# Altium PCB Supply_modulev2.0.PcbDoc (part 1 of 2)
Units mm, origin at the board's own origin, x right, y up, seen from the top; angles counter-clockwise.
Board outline 129.32 x 74.32 mm, 2 copper layers (Top Layer, Bottom Layer); 229 components, 145 nets, 733 pads, 143 vias.
Unrouted connection lines stored in the file: 11.
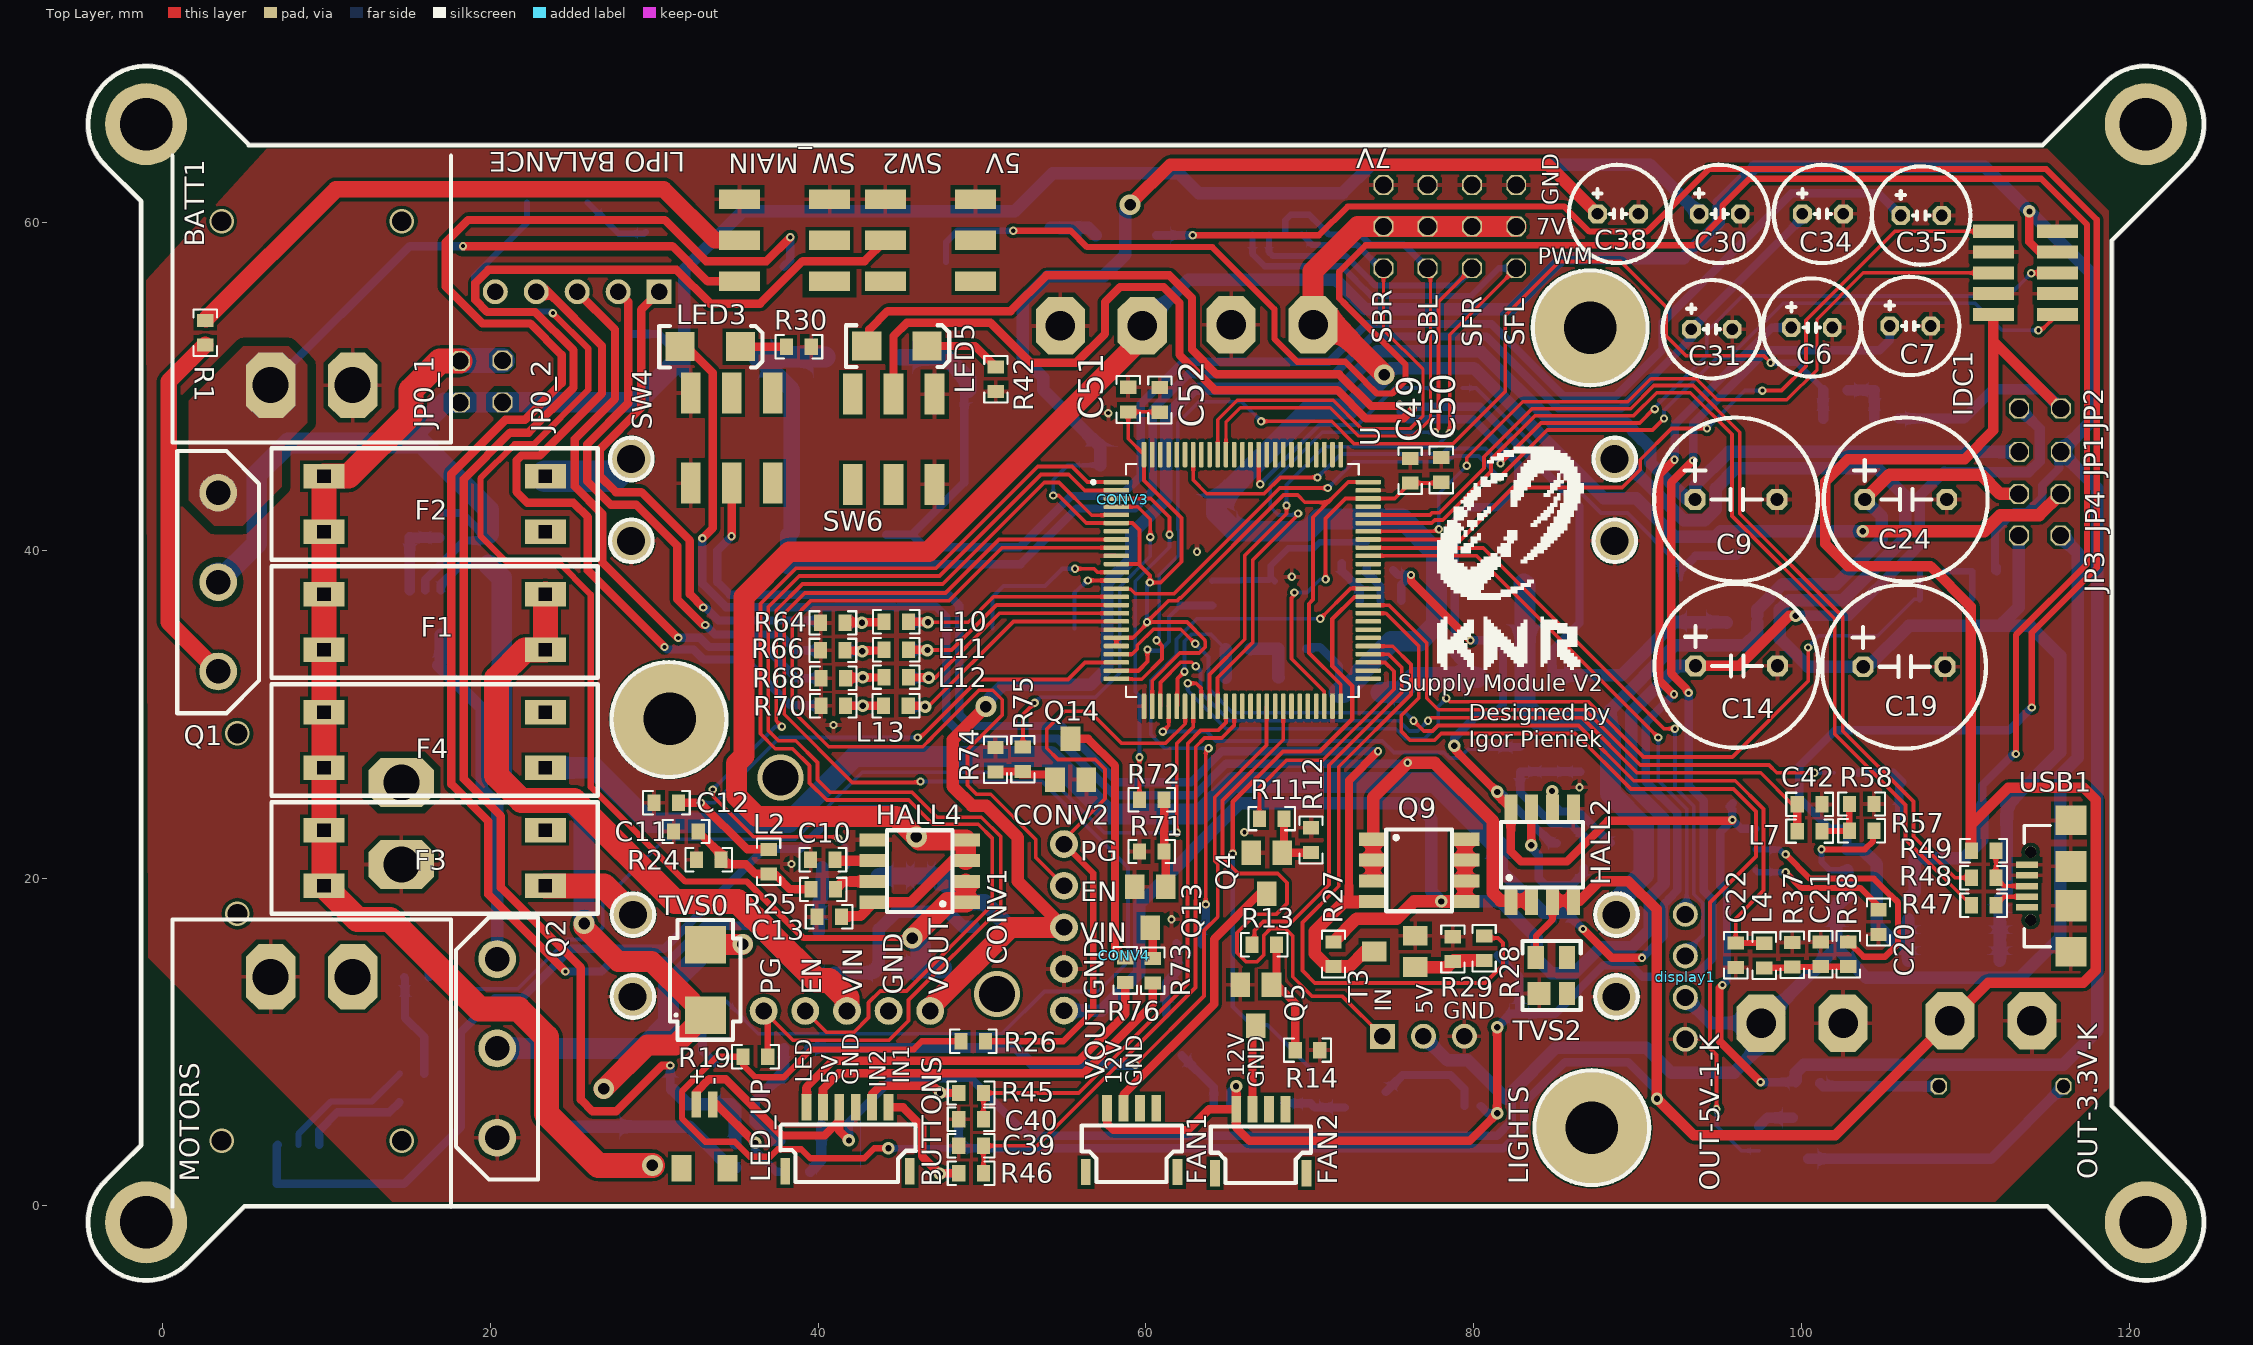
[diagram p0: Top Layer view]
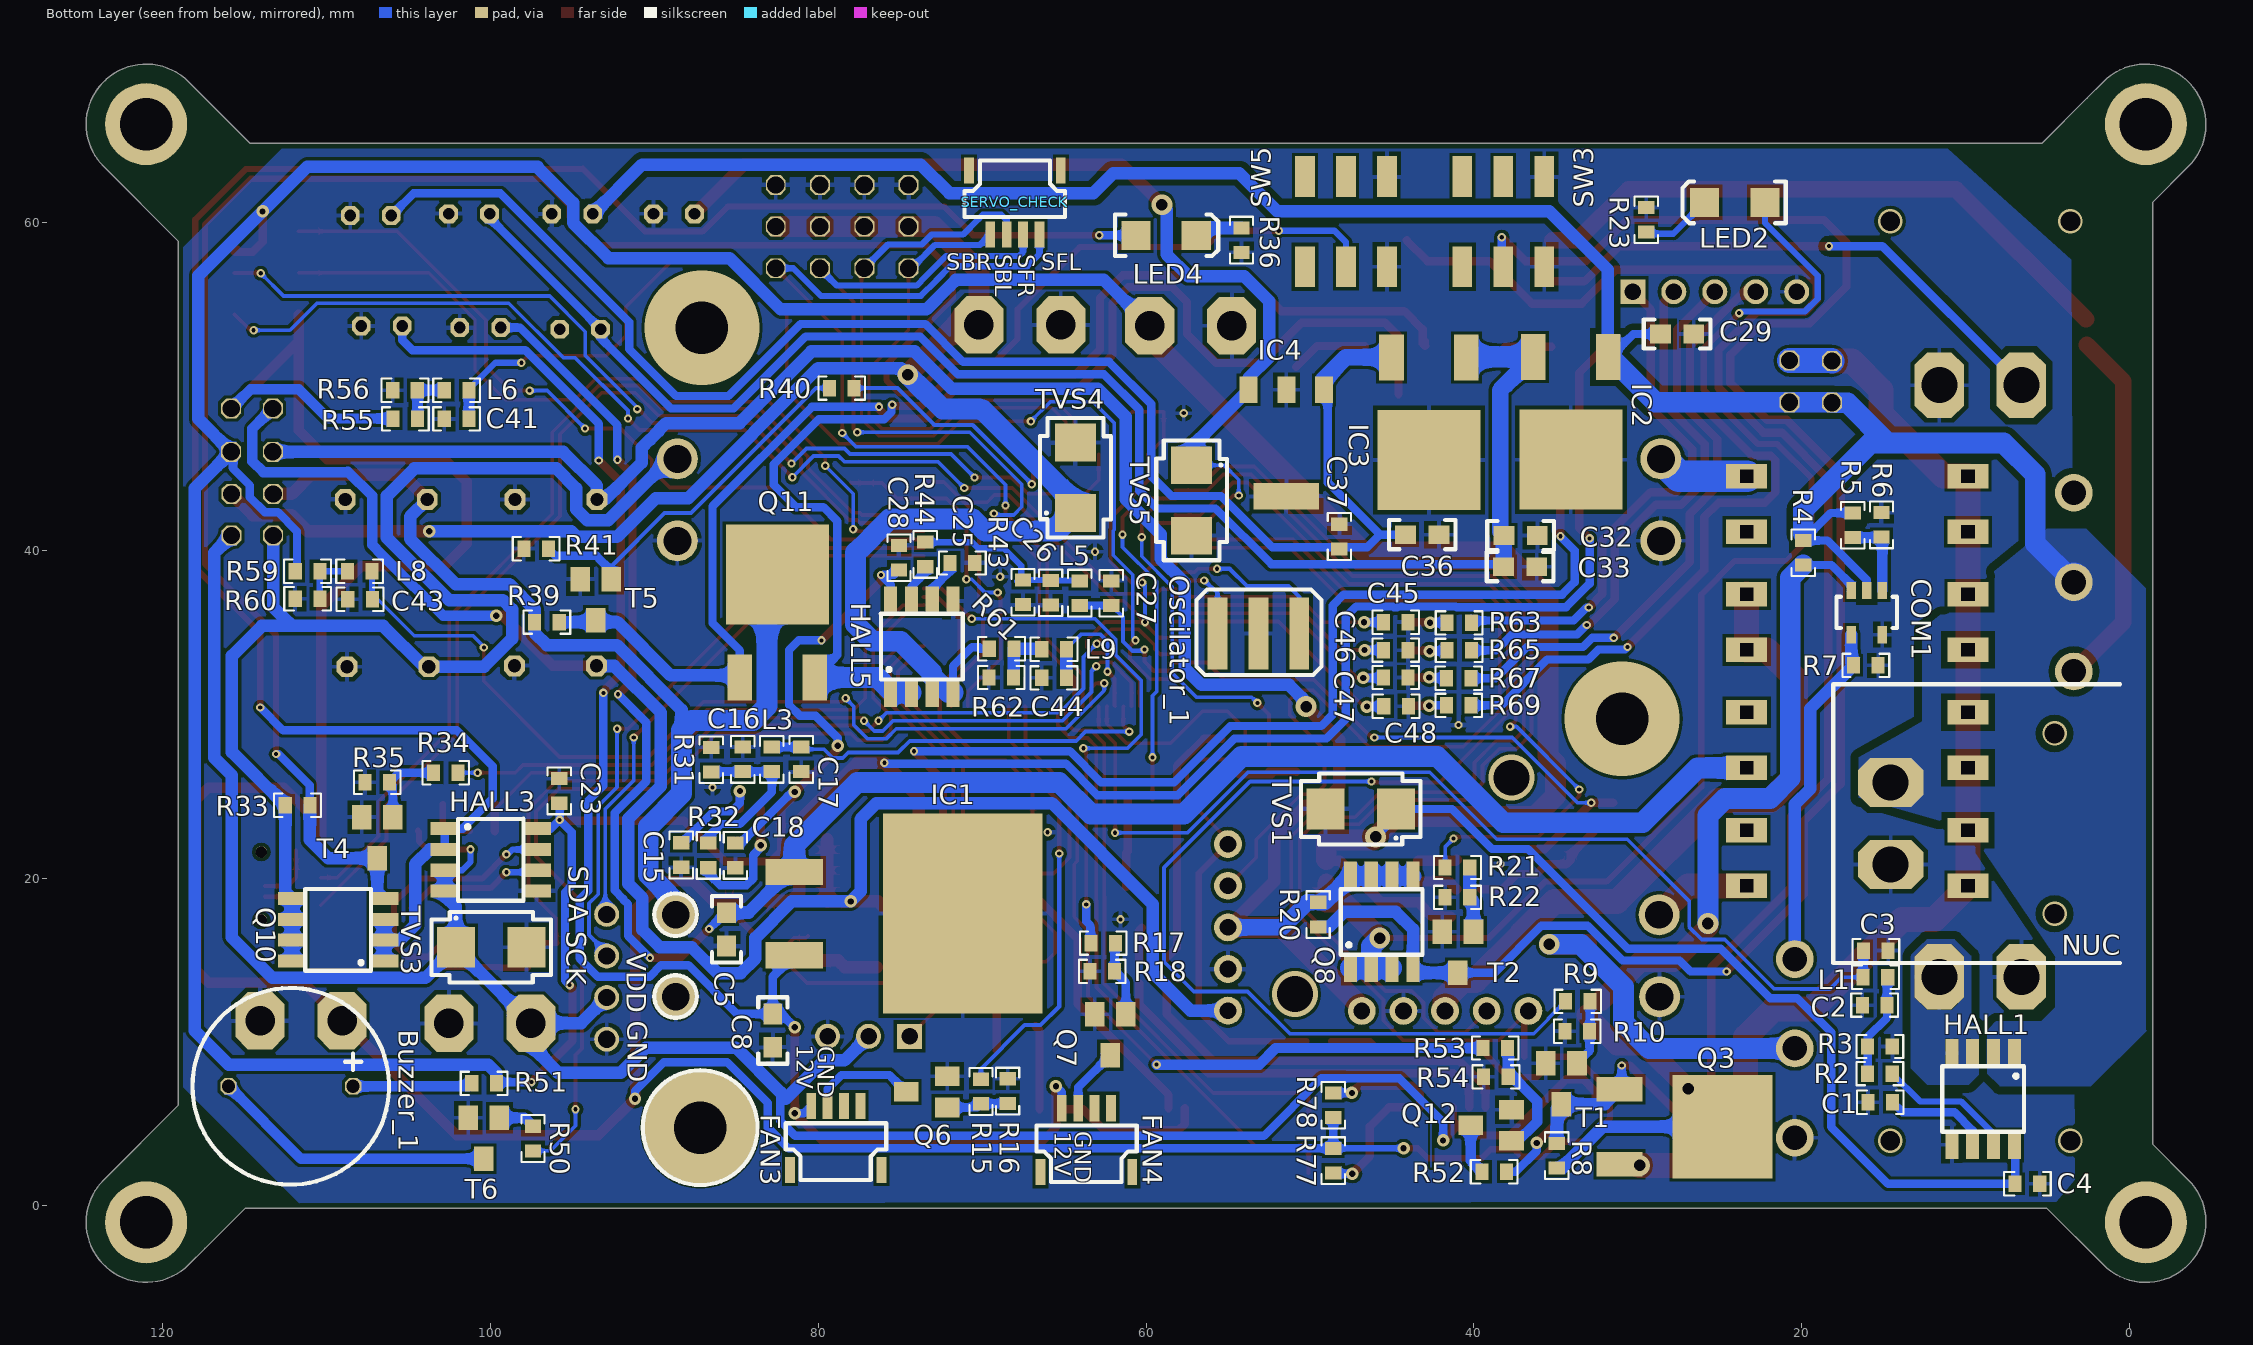
[diagram p1: Bottom Layer view, seen from below]
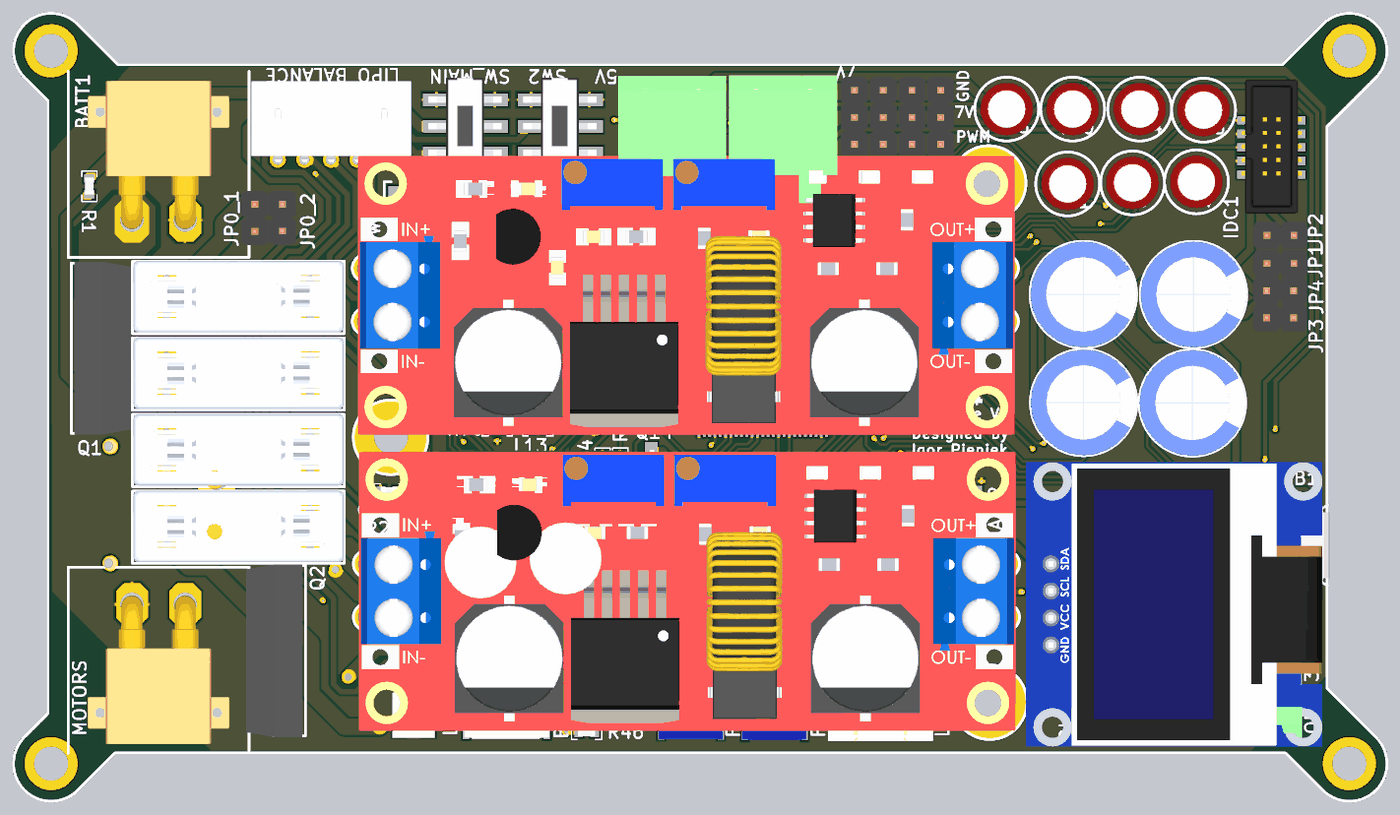
[diagram p3: 3D render of the assembled board from above, using the file's embedded part models]
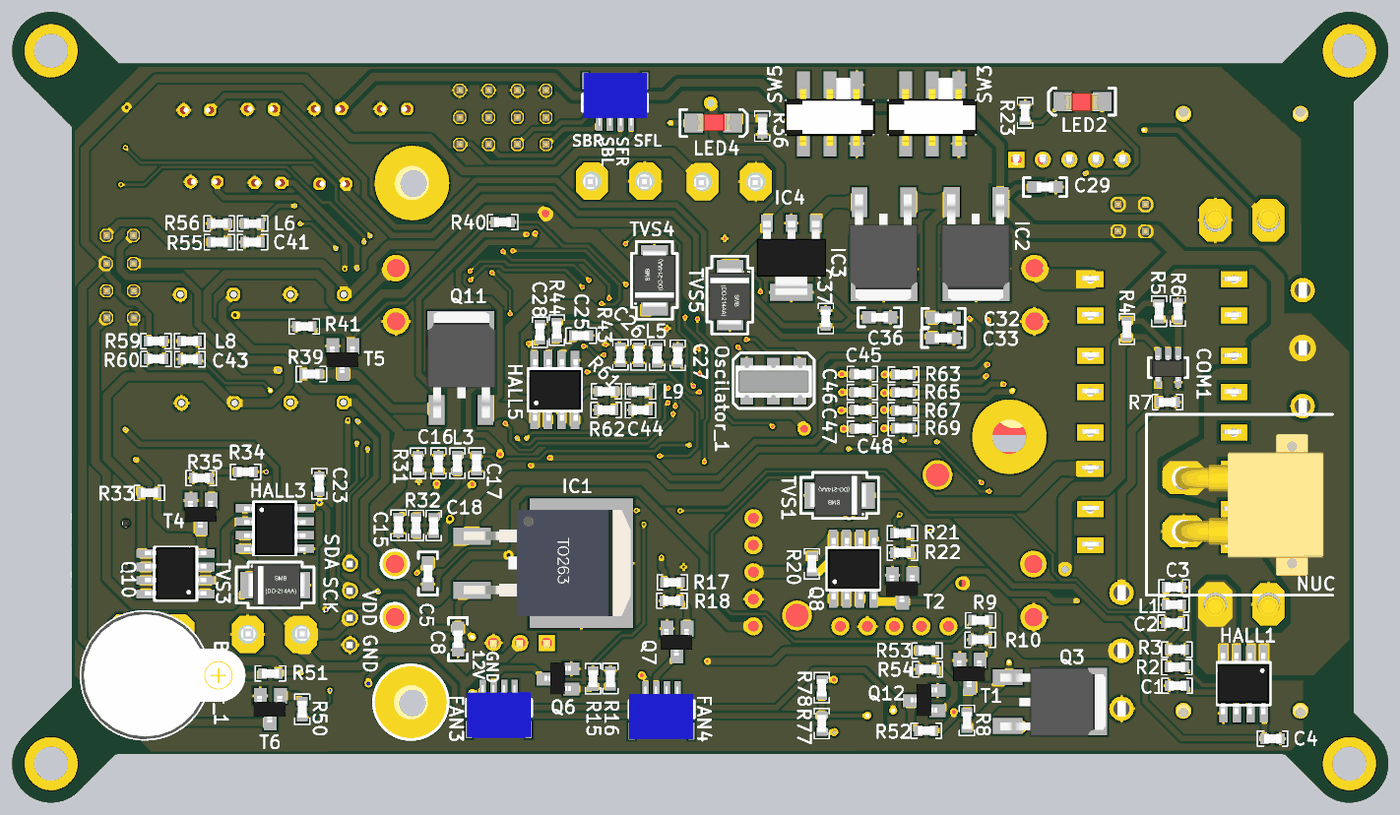
[diagram p4: 3D render of the assembled board from below, using the file's embedded part models]

## Layer stack, top to bottom
Top Solder: solder mask 0.0102, Solder Resist, Dk 3.5
Top Layer: signal copper 0.0356
Dielectric 1: dielectric 0.32, FR-4, Dk 4.8
Bottom Layer: signal copper 0.0356
Bottom Solder: solder mask 0.0102, Solder Resist, Dk 3.5

## Board outline
-3.59,1.59 cw(c-3.5,1.5) -3.59,1.59 -1.427,3.753 -1.427,61.247 -3.59,63.41 ccw(c-3.5,63.5) -3.59,63.409 -3.59,63.41 cw(c-1,66) 1.59,68.59 2.591,67.59 ccw(c2.5,67.5) 2.59,67.59 ccw(c2.5,67.5) 2.59,67.59 2.591,67.59 5.34,64.84 cw(c5.25,64.75) 5.351,64.827 114.647,64.827 118.41,68.59 ccw(c118.5,68.5) 118.409,68.59 118.41,68.59 cw(c121,66) 124.663,66 cw(c121,66) 123.59,63.41 cw(c123.5,63.5) 123.59,63.409 123.59,63.41 119.027,58.847 119.027,6.153 123.59,1.59 ccw(c123.5,1.5) 123.59,1.59 cw(c121,-1) 124.663,-1 cw(c121,-1) 118.41,-3.59 117.41,-2.591 114.947,-0.127 5.053,-0.127 1.59,-3.59 ccw(c1.5,-3.5) 1.59,-3.59 cw(c-1,-1)

## Design rules (kind name [scope] priority, off if disabled: settings)
Clearance Clearance_2 [InNet('VCC_M')] p1: gap=0.203 except(0.381: Arc-Poly Track-Poly SMDPad-Poly THPad-Poly Via-Poly Fill-Poly; 0.508: Poly-Poly)
Clearance Clearance_1 [InNet('VCC')] p2: gap=0.203 except(0.381: Arc-Poly Track-Poly SMDPad-Poly THPad-Poly Via-Poly Fill-Poly; 0.508: Poly-Poly)
Clearance [All] p3: gap=0.203 except(0.508: Poly-Poly)
PlaneClearance PlaneClearance_2 [InNet('VCC')] p1: clearance=0.508
PlaneClearance PlaneClearance_1 [InNet('VCC_M')] p2: clearance=0.508
PlaneClearance [InNet('GND')] p3: clearance=0.508
PolygonConnect PolygonConnect_2 [InNet('VCC') vs InNet('VCC')] p1: connectstyle=Direct reliefconductorwidth=0.254 reliefentries=4 polygonreliefangle="90 Angle" airgapwidth=0.254
PolygonConnect PolygonConnect_1 [InNet('VCC_M') vs InNet('VCC_M')] p2: connectstyle=Direct reliefconductorwidth=0.254 reliefentries=4 polygonreliefangle="90 Angle" airgapwidth=0.254
PolygonConnect [InNet('GND') vs InNet('GND')] p3: connectstyle=Relief reliefconductorwidth=0.254 reliefentries=4 polygonreliefangle="90 Angle" airgapwidth=0.254
RoomDefinition Supply_modulev2.0 [InComponentClass('Supply_modulev2.0')] p1: confinementstyle=ConfineIn formatcopy=TRUE lockcomponents=FALSE outline 153.386,1.483 180.95,1.483 180.95,28.661 153.386,28.661
RoutingVias [All] p1: holewidth=0.711 width=1.27 viastyle="Through Hole" minholewidth=0.711 minwidth=1.27 maxholewidth=0.711 maxwidth=1.27
SolderMaskExpansion [All] p1: expansion=0.102
Width [All] p1: maxlimit=6.579 minlimit=0.203 preferedwidth=0.254 minimp=50.000000 maximp=50.000000 favimp=50.000000
29 further rules are at their usual default settings.

## Components (designator, comment, footprint, x,y, rotation, side; value= is the part's Value field where it differs from the comment)
5V "2-pin" 2-pin-zielony-prosty 59.775,53.7 r180 top (schematic designator OUT-5V-2-K)
7V "2-pin" 2-pin-zielony-prosty 70.196,53.756 r180 top (schematic designator OUT-7V-K)
BATT1 "BATT" XT30-katowy-in 9.1,50.075 r0 top
BUTTONS "6 PIN CONNECTOR" "JST SR SH 1.0" 37.989,2.118 r0 top
Buzzer_1 "LD-BZEG-1205/3" Buzzer_LOUDITY 108.375,7.3 r180 bottom
C1 "1n" 0603#1 15.95,6.325 r180 bottom
C2 "cap" 0603#1 16.297,12.253 r180 bottom
C3 "Cap" 0603#1 14.722,15.58 r0 bottom
C4 "0.1u" 0603#1 6.975,1.35 r180 bottom
C5 "100n" 0603#2 85.588,17.891 r270 bottom
C6 "220u" 2.5mm 99.375,53.589 r0 top
C7 "100u" 2.5mm 105.375,53.689 r0 top
C8 "100n" 0603#2 82.769,11.719 r270 bottom
C9 "1000u" 5mm 93.5,43.1 r0 top
C10 "1n" 0603#1 39.538,21.117 r0 top
C11 "cap" 0603#1 31.182,22.844 r0 top
C12 "Cap" 0603#1 29.988,24.597 r0 top
C13 "0.1u" 0603#1 41.418,17.637 r180 top
C14 "1000u" 5mm 93.525,32.95 r0 top
C15 "1n" 0603#1 88.35,20.661 r90 bottom
C16 "cap" 0603#1 84.603,27.996 r270 bottom
C17 "Cap" 0603#1 81.028,26.496 r90 bottom
C18 "0.1u" 0603#1 85.05,22.136 r270 bottom
C19 "1000u" 5mm 103.75,32.9 r0 top
C20 "1n" 0603#1 104.689,16.571 r90 top
C21 "cap" 0603#1 101.175,16.1 r270 top
C22 "Cap" 0603#1 95.975,14.55 r90 top
C23 "0.1u" 0603#1 95.799,24.572 r90 bottom
C24 "1000u" 5mm 103.85,43.1 r0 top
C25 "1n" 0603#1 70.45,39.227 r0 bottom
C26 "cap" 0603#1 65.823,36.664 r90 bottom
C27 "Cap" 0603#1 62.119,38.135 r270 bottom
C28 "0.1u" 0603#1 75.073,38.796 r90 bottom
C29 "100n" 0603#2 28.616,53.197 r180 bottom
C30 "220u" 2.5mm 93.747,60.524 r0 top
C31 "100u" 2.5mm 93.275,53.489 r0 top
C32 "100n" 0603#2 38.167,40.904 r180 bottom
C33 "100n" 0603#2 36.16,38.999 r0 bottom
C34 "220u" 2.5mm 100.047,60.524 r0 top
C35 "100u" 2.5mm 106.047,60.424 r0 top
C36 "100n" 0603#2 42.129,40.955 r0 bottom
C37 "100n" 0603#1 48.2,40.091 r90 bottom
C38 "22u" 2.5mm 87.547,60.524 r0 top
C39 "100n" 0603#1 50.079,3.667 r180 top
C40 "100n" 0603#1 50.079,5.293 r180 top
C41 "Cap" 0603#1 101.311,48.016 r0 bottom
C42 "Cap" 0603#1 99.736,24.495 r0 top
C43 "Cap" 0603#1 107.202,37.018 r0 bottom
C44 "Cap" 0603#1 64.862,32.217 r0 bottom
C45 "Cap" 0603#1 45.519,35.612 r180 bottom
C46 "Cap" 0603#1 45.519,33.912 r180 bottom
C47 "Cap" 0603#1 45.519,32.237 r180 bottom
C48 "Cap" 0603#1 45.494,30.487 r180 bottom
C49 "2.2u" 0603#1 76.114,44.104 r90 top
C50 "2.2u" 0603#1 78.019,44.155 r90 top
C51 "100n" 0603#1 58.918,48.448 r90 top
C52 "100n" 0603#1 60.849,48.422 r90 top
COM1 "komparator" SOT25 15.078,37.551 r0 bottom
CONV1 "D24V22F5" D24V22F5 36.675,11.9 r0 top
CONV2 "D24V10F3" D24V10F3 55,22.075 r270 top
CONV3 "XL4015_5-1" XL4015#1 28.591,45.577 r0 top
CONV4 "XL4015_7" XL4015#2 28.692,17.764 r0 top
display1 "SSD1306" SSD1306 92.904,10.17 r90 top
F1 "Fuse" "3557-2 KEYSTONE" 9.85,33.925 r0 top
F2 "Fuse" "3557-2 KEYSTONE" 9.85,41.125 r0 top
F3 "Fuse" "3557-2 KEYSTONE" 9.85,19.525 r0 top
F4 "Fuse" "3557-2 KEYSTONE" 9.85,26.725 r0 top
FAN1 "4 PIN CONNECTOR" "JST SR SH 1.0 - 4PIN" 56.328,2.067 r0 top
FAN2 "4 PIN CONNECTOR" "JST SR SH 1.0 - 4PIN" 64.202,2 r0 top
FAN3 "4 PIN CONNECTOR" "JST SR SH 1.0 - 4PIN" 81.728,2.194 r180 bottom
FAN4 "4 PIN CONNECTOR" "JST SR SH 1.0 - 4PIN" 66.437,2.067 r180 bottom
HALL1 "ACS714" SO8#1 7.025,9.325 r0 bottom
HALL2 "ACHS-7121" SO8#1 82.261,18.628 r0 top
HALL3 "ACHS-7121" SO8#1 102.784,23.022 r270 bottom
HALL4 "ACHS-7121" SO8#1 49,18.525 r90 top
HALL5 "ACHS-7121" SO8#1 75.581,31.328 r180 bottom
IC1 "7812T" "TO263 (D2PAK)" 81.45,20.375 r270 bottom
IC2 "MC7812CDTG" "TO252 (DPAK)" 31.791,51.8 r0 bottom
IC3 "L7805CDT-TR" "TO252 (DPAK)" 40.453,51.775 r0 bottom
IC4 "AP1117E33G-13" SOT223 49.139,49.794 r0 bottom
IDC1 "STM32" IDC_10_1.27 111.703,59.467 r270 top
JP0_1 "Jumper" Raster_2.54_2pin 18.151,51.546 r270 top
JP0_2 "Jumper" Raster_2.54_2pin 20.742,51.572 r270 top
JP1 "Jumper" Raster_2.54_2pin 113.274,46.009 r0 top
JP2 "Jumper" Raster_2.54_2pin 113.274,48.651 r0 top
JP3 "Jumper" Raster_2.54_2pin 113.249,40.904 r0 top
JP4 "Jumper" Raster_2.54_2pin 113.249,43.444 r0 top
L1 "L" R0603 16.246,13.954 r180 bottom
L2 "L" R0603 36.973,21.752 r270 top
L3 "L" R0603 82.828,27.996 r270 bottom
L4 "L" R0603 97.725,16.025 r270 top
L5 "L" R0603 64.049,36.637 r90 bottom
L6 "L" R0603 101.311,49.768 r0 bottom
L7 "L" R0603 99.736,22.87 r0 top
L8 "L" R0603 107.228,38.719 r0 bottom
L9 "L" R0603 64.862,33.97 r0 bottom
L10 "L" R0603 45.519,35.638 r180 top
L11 "L" R0603 45.519,33.938 r180 top
L12 "L" R0603 45.519,32.263 r180 top
L13 "L" R0603 45.494,30.513 r180 top
LED2 "LED" 1206 22.241,61.224 r0 bottom
LED3 "LED" 1206 31.575,52.425 r0 top
LED4 "LED" 1206 60.62,59.217 r180 bottom
LED5 "LED" 1206 42.967,52.461 r0 top
LED_UP "2 PIN CONNECTOR" "JST SR SH 1.0 - 2pin" 31.664,2.296 r0 top
LIGHTS "" "JST XH 3" 74.425,10.35 r0 top
"LIPO BALANCE" "5 PIN CONNECTOR" "JST XH 5" 30.3,55.775 r180 top
MOTORS "BATT" XT30-katowy-in 9.1,13.975 r180 top
NUC "BATT" XT30-katowy-in 14.57,23.327 r270 bottom
Oscilator_1 "CSTCC8M00G53-R0" CSTCC8M00G53-R0 55.642,34.935 r180 bottom
OUT-3.3V-K "2-pin" 2-pin-zielony-prosty 109.05,11.3 r0 top
OUT-5V-1-K "2-pin" 2-pin-zielony-prosty 97.525,11.15 r0 top
Q1 "IXTH140P05T" TO-247-3 3.394,38.059 r90 top
Q2 "IXFH74N20P" TO-247-3 20.412,9.611 r270 top
Q3 "P-MOSFET" "TO252 (DPAK)" 31.105,7.122 r270 bottom
Q4 "BSS138" SOT23 68.316,21.549 r180 top
Q5 "BSS138" SOT23 67.656,13.497 r180 top
Q6 "BSS138" SOT23 72.127,6.01 r90 bottom
Q7 "BSS138" SOT23 61.23,11.694 r0 bottom
Q8 "P-MOSFET" SO8#2 47.525,14.525 r180 bottom
Q9 "P-MOSFET" SO8#2 73.86,22.375 r270 top
Q10 "P-MOSFET" SO8#2 106.493,14.945 r90 bottom
Q11 "P-MOSFET" "TO252 (DPAK)" 84.776,32.242 r180 bottom
Q12 "N-MOSFET" SOT23 37.7,3.975 r90 bottom
Q13 "N-MOSFET" SOT23 61.204,19.466 r180 top
Q14 "N-MOSFET" SOT23 54.448,25.994 r0 top
R1 "Res" R0603 2.6,52.525 r90 top
R2 "2k" R0603 14.475,8.075 r0 bottom
R3 "10k" R0603 15.975,9.725 r180 bottom
R4 "0.01" R0603 19.904,40.599 r270 bottom
R5 "120" R0603 16.881,40.777 r90 bottom
R6 "3.9k" R0603 15.129,42.301 r270 bottom
R7 "10k" R0603 15.332,32.979 r0 bottom
R8 "10k" R0603 34.941,3.82 r270 bottom
R9 "1k" R0603 32.909,12.481 r0 bottom
R10 "10k" R0603 32.934,10.652 r0 bottom
R11 "20k" R0603 68.418,23.632 r180 top
R12 "20k" R0603 70.069,21.574 r90 top
R13 "20k" R0603 67.961,15.936 r180 top
R14 "20k" R0603 69.104,9.509 r0 top
R15 "20k" R0603 70.069,6.233 r90 bottom
R16 "20k" R0603 68.443,7.757 r270 bottom
R17 "20k" R0603 61.865,16.037 r0 bottom
R18 "20k" R0603 61.916,14.31 r0 bottom
R19 "10k" R0603 35.423,9.103 r0 top
R20 "1k" R0603 49.5,17.025 r90 bottom
R21 "1k" R0603 40.25,20.65 r0 bottom
R22 "1k" R0603 40.25,18.825 r0 bottom
R23 "Res" R0603 29.48,60.919 r270 bottom
R24 "10k" R0603 34.077,21.117 r180 top
R25 "2k" R0603 41.062,19.314 r180 top
R26 "10k" R0603 48.708,10.043 r0 top
R27 "1k" R0603 71.441,14.615 r90 top
R28 "1k" R0603 80.625,14.975 r90 top
R29 "1k" R0603 78.725,14.925 r90 top
R30 "Res" R0603 39.575,52.425 r180 top
R31 "10k" R0603 86.528,26.477 r90 bottom
R32 "2k" R0603 86.7,20.636 r90 bottom
R33 "1k" R0603 111.014,24.445 r0 bottom
R34 "1k" R0603 101.971,26.426 r0 bottom
R35 "1k" R0603 106.15,25.85 r0 bottom
R36 "Res" R0603 54.175,58.175 r90 bottom
R37 "10k" R0603 99.425,14.575 r90 top
R38 "2k" R0603 102.85,16.1 r270 top
R39 "1k" R0603 95.799,35.621 r0 bottom
R40 "1k" R0603 77.816,49.895 r0 bottom
R41 "1k" R0603 96.46,40.091 r0 bottom
R42 "Res" R0603 50.841,49.692 r90 top
R43 "10k" R0603 67.504,38.186 r270 bottom
R44 "2k" R0603 73.473,38.999 r90 bottom
R45 "1k" R0603 50.079,6.893 r180 top
R46 "1k" R0603 50.079,1.991 r180 top
R47 "22" R0603 111.852,18.349 r180 top
R48 "22" R0603 111.852,20.025 r180 top
R49 "1.5k" R0603 110.353,21.676 r0 top
R50 "10k" R0603 97.399,3.363 r90 bottom
R51 "1k" R0603 99.635,7.477 r0 bottom
R52 "220" R0603 39.513,2.093 r180 bottom
R53 "10k" R0603 37.938,9.636 r0 bottom
R54 "50" R0603 39.4,7.875 r180 bottom
R55 "3.3k" R0603 104.435,48.016 r0 bottom
R56 "22k" R0603 105.959,49.768 r180 bottom
R57 "3.3k" R0603 102.911,22.895 r0 top
R58 "4.7k" R0603 104.41,24.521 r180 top
R59 "3.3k" R0603 110.403,38.719 r0 bottom
R60 "4.7k" R0603 111.901,37.043 r180 bottom
R61 "3.3k" R0603 68.062,33.995 r0 bottom
R62 "2.2k" R0603 69.586,32.242 r180 bottom
R63 "2.2k" R0603 41.648,35.57 r180 bottom
R64 "470" R0603 40.148,35.57 r0 top
R65 "4.7k" R0603 41.648,33.893 r180 bottom
R66 "22k" R0603 40.148,33.893 r0 top
R67 "4.7k" R0603 41.673,32.192 r180 bottom
R68 "22k" R0603 40.173,32.192 r0 top
R69 "4.7k" R0603 41.669,30.538 r180 bottom
R70 "22k" R0603 40.173,30.515 r0 top
R71 "Res" R0603 61.103,21.625 r180 top
R72 "Res" R0603 59.604,24.775 r0 top
R73 "Res" R0603 60.417,15.097 r270 top
R74 "Res" R0603 50.816,26.477 r90 top